# Allegro board RK_EVB1_RK3576_LP4XD200P132SD6_V12_20240530YWQ.brd (continued)
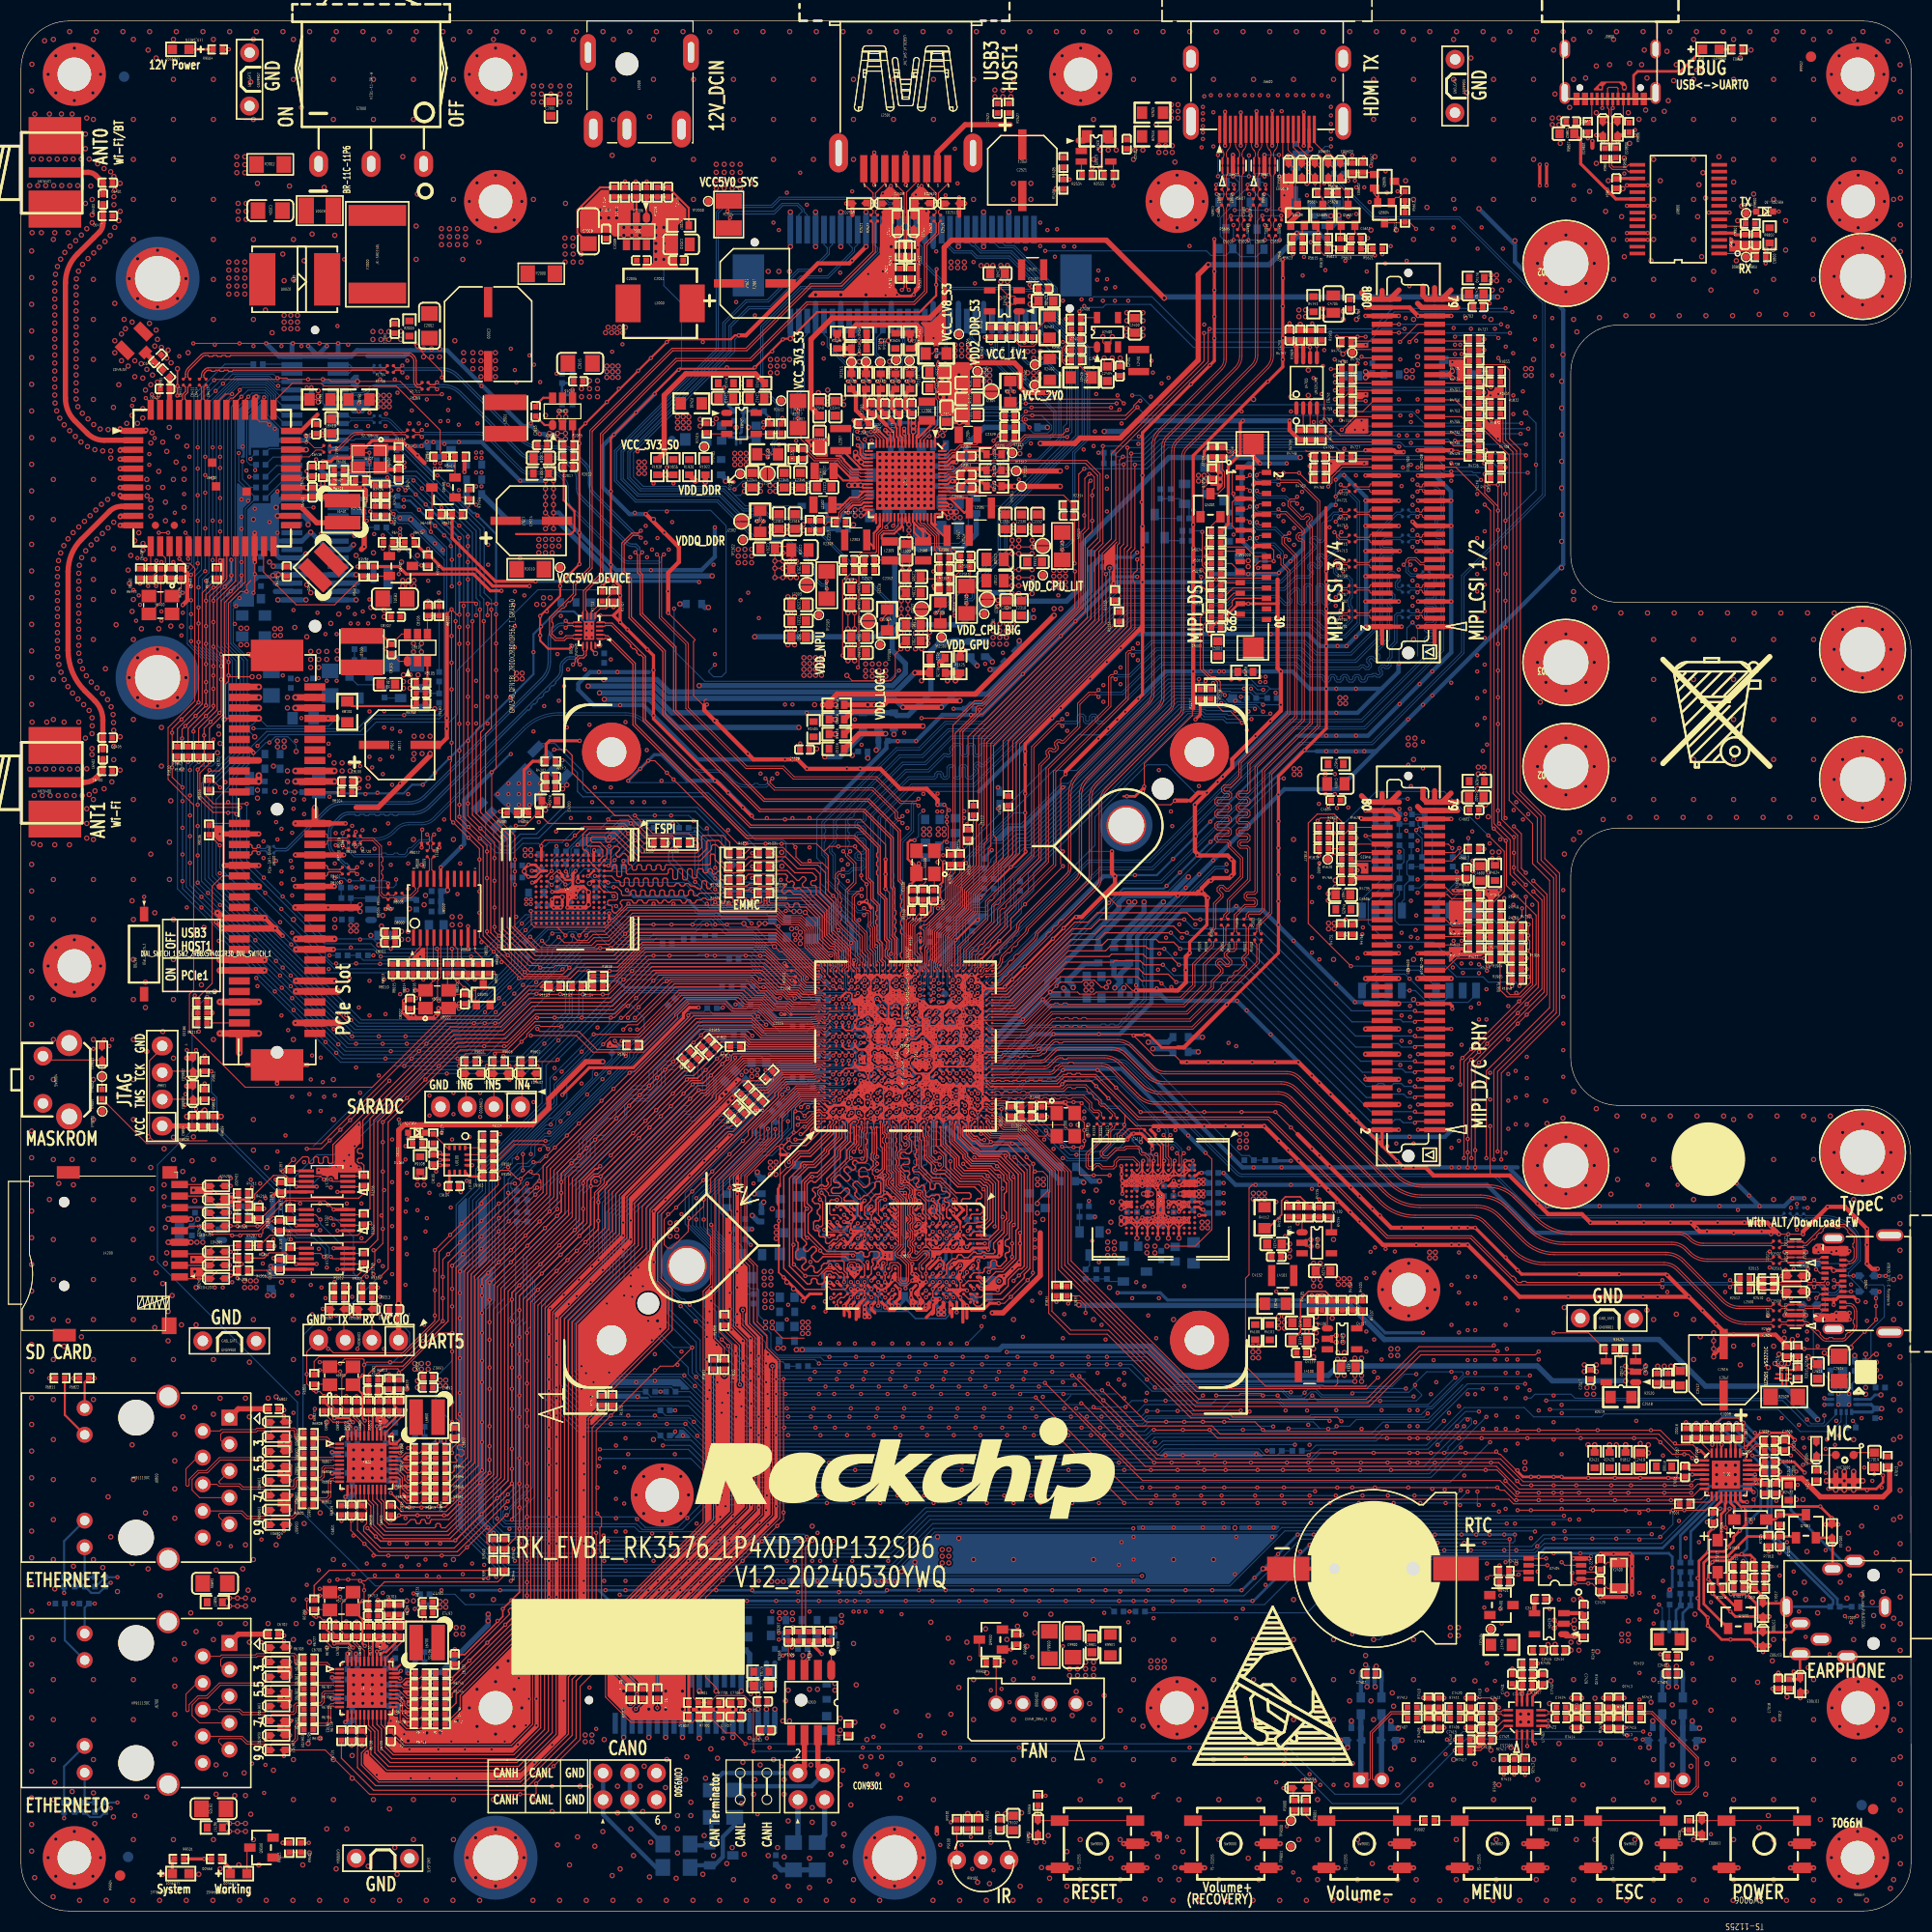
[diagram p0: board, top side]
## Routing (per net, layer and track width the routed paths; a pad name or vN(x,y) marks a point on that pad's centre or on a via; arc(x,y) is an arc through that point) (continued)
  BOTTOM w0.14: C1002.2 84.92,81.37 85.52,81.37 85.86,81.71 v1(85.86,81.72)
  BOTTOM w0.152: 81.27,57.28 81.44,57.12 82.6,57.12 ; v1(80.67,84.32) 80.67,84.13 80.37,83.84 C1034.2 79.94,83.83 79.91,83.83 ; 83.99,57.12 v1(84.24,57.37) 84.5,57.12 ; 83.99,57.12 84.5,57.12 ; 83.99,57.12 82.6,57.12 ; v1(91.44,59.29) 91.39,59.34 91.39,59.82 91.23,59.98 91.23,60.96 C3811.2 ; 80.64,80.59 80.34,80.89 80.34,81.38 80.8,81.85 C1029.2 80.34,82.05 80.3,82.08 79.92,82.08 79.6,81.76 C1902.2 79.5,81.73 79.5,81.1 79.44,81.03 ; 82.6,57.12 82.96,57.48 v1(82.96,57.63) ; v1(84.53,84.36) 83.99,84.89 83.99,85.04 ; 88.49,69.14 88.49,68.17 88.23,67.91 88.06,67.91 ; C3826.2 87.26,67.22 87.59,66.89 87.59,66.51 87.49,66.41 v1(87.49,65.49) ; 84.5,57.12 85.19,56.43 88.06,56.43 88.47,56.83 88.47,57.38 v1(88.56,57.48) ; v1(88.79,86.91) 89.59,86.11 C1601.2 ; v1(89.77,83.67) 89.41,84.02 88.97,84.02 88.61,83.67 v1(88.46,83.67) ; C3832.2 92.03,63.99 91.64,63.99 91.41,64.23 91.41,64.79 ; 86.99,67.63 87.3,67.63 87.58,67.91 88.06,67.91 ; 79.99,85.1 80.67,84.42 ; v1(84.57,80.42) v1(83.92,80.42) ; 88.06,67.91 C3841.2
  BOTTOM w0.203: 42.56,131.11 v1(42.56,130.88) v1(42.56,129.99) v1(42.56,128.47) v1(42.56,126.82) v1(42.56,123.46) v1(42.56,122.33) ; v1(40.68,135.83) 41.15,135.36 41.15,135.04 43.06,133.13 43.26,133.13 v1(43.47,132.91) 45.25,131.14 v1(45.25,124.49) v1(45.25,123.47) ; 123.38,110.45 121.93,110.45 v1(113.3,101.83) v1(112.03,100.56) v1(110.38,98.9) v1(109.11,97.63) 108.85,97.37 104.97,97.37 v1(103.61,96.02) 93.3,85.71 91.83,85.71 C1409.2 ; C1700.2 82.44,85.72 82.44,85 C1036.2 ; 32.43,140.87 35.31,140.87 36.67,139.52 v1(36.81,139.52) 37.7,138.63 v1(37.76,138.63) 37.76,138.43 39.46,136.72 v1(39.66,136.72) ; 121.74,111.94 121.46,111.94 v1(113.27,103.75) v1(111.88,102.36) v1(109.72,100.2) 108.17,98.65 v1(106.09,98.65) 104.3,98.65 v1(104.2,98.55) ; v1(41.75,123.46) v1(41.75,126.44) v1(41.75,129.11) v1(41.75,130.75) v1(40.39,132.12) v1(38.55,133.96) v1(37.6,134.91) 36.8,135.71 32.68,135.71 v1(32.54,135.57) ; v1(44.83,108.44) 46.57,110.18 v1(46.65,110.18) ; C1404.2 91.53,79.19 v1(91.09,79.19) v1(91.09,79.84) ; v1(41.03,126.16) v1(41.03,128.7) 41.03,129.89 v1(40.93,129.99) 40.93,130.42 v1(39.44,131.92) v1(37.91,133.45) 37.05,134.31 36.54,134.31 v1(36.45,134.39) ; v1(53.86,122.58) 52.67,123.77 50.97,123.77 v1(49.52,122.33) 48.81,121.61 v1(48.81,119.89) 48.81,117.79 v1(46.6,115.59) v1(39.42,108.4) 38.28,107.26 v1(38.27,107.26) 37.25,107.26 36.43,106.43 C8114.2 ; v1(96.72,77.07) 96.78,77.01 99.45,77.01 v1(99.48,77.03) ; v1(79.77,85.1) 79.99,85.1 79.99,85.1 ; 80.67,84.42 v1(80.67,84.32) ; C1309.2 79.91,83.83 C1116.2
  BOTTOM w0.229: 91.75,87.19 91.46,87.19 v1(91.14,86.87) v1(90.54,86.87) v1(90.54,87.47) ; v1(87.17,81.03) 86.87,80.73 C1009.2 ; v1(91.73,62.28) 91.73,62.68 91.51,62.91 C3813.2 91.5,63.14 91.96,63.14 v1(92.12,62.99) ; v1(80.64,79.12) 80.6,79.08 80,79.08 v1(79.98,79.09) ; R1400.2 91.33,82.89 v1(91.12,83.1) 91.38,83.36 R1402.2
  BOTTOM w0.254: v1(81.32,82.37) 81.32,82.36 C1026.2 81.96,82.36 v1(81.96,82.37) ; v1(81.32,82.37) 81,82.05 C1029.2 80.8,82.57 C1901.2 ; v1(81.32,82.37) 81,82.68 C1901.2 ; v1(81.32,82.37) 81.64,82.69 C1035.2 81.96,82.37 v1(81.96,82.37) ; v1(86.84,67.76) 86.97,67.63 86.99,67.63 87.21,67.4 ; C1118.2 86.98,84.06 C1602.2 ; v1(82.94,66.44) 82.94,66.45 C3828.2 ; C3818.2 79.87,57.89 79.62,57.64 79.62,57.62 79.6,57.6 79.6,57.56 79.57,57.53 v1(79.57,57.38) ; v1(81.97,80.42) 82.2,80.18 82.38,80.18 v1(82.62,80.42) 82.71,80.42 82.94,80.65 83.01,80.65 83.27,80.39 83.29,80.39 ; v1(164.25,39.6) 161.87,39.6 158.03,35.76 C7407.1 ; C3830.2 82.29,65.61 v1(82.29,65.49) ; C1002.2 84.6,81.1 84.6,81.1 v1(84.56,81.07) ; 164.89,40.58 164.76,40.46 160.82,40.46 160.57,40.2 v1(160.57,39.78) ; 87.85,81.04 v1(87.82,81.04) 87.55,81.3 C1400.2 87.48,81.39 v1(87.16,81.72) ; v1(157.01,30.6) 157.27,30.85 v1(157.27,32.71) 157.27,33.73 156.92,34.07 v1(148.5,34.07) v1(145.96,34.07) ; v1(164.25,44.14) 163.87,44.14 v1(161.52,46.49) 162.09,47.06 163.49,47.06 v1(164.06,46.49) 168.57,41.98 168.57,38.18 173.42,33.33 J7000.8 ; v1(81.96,82.37) 81.97,82.37 U1000.2D6 C1024.2 82.38,82.04 ; v1(81.64,63.24) 81.64,63.35 C3834.2 82.29,64 v1(82.29,64.04) 82.48,64.23 C3842.2 82.49,64.39 v1(82.94,64.84) ; v1(82.61,82.37) 82.61,82.28 82.38,82.04 ; v1(92.12,62.99) 92.12,63.14 92.27,63.3 C3832.2 ; v1(82.62,83.02) 82.62,83.12 C1017.2 82.62,83.57 v1(82.62,83.67) ; v1(160.55,37.04) v1(161.82,38.31) ; v1(81.54,87.47) v1(82.14,86.87) 82.14,86.64 82.71,86.07 C1700.2 ; v1(164.89,43.38) 165.7,42.57 165.7,38.24 164.38,36.92 164.38,34.5 v1(163.87,33.99) ; 55.03,30.55 v1(45.63,30.55) 41.95,30.55 ; 55.03,30.55 56.05,29.54 v1(58.71,29.54) v1(59.76,29.54) v1(65.95,29.54) v1(69.13,29.54) v1(71.92,29.54) v1(74.01,29.54) v1(75.99,29.54) v1(78.02,29.54) v1(78.65,29.54) v1(79.42,29.54) v1(80.69,29.54) v1(84.27,29.54) v1(86.81,29.54) v1(89.35,29.54) v1(91.89,29.54) v1(94.43,29.54) v1(96.97,29.54) v1(99.51,29.54) v1(102.05,29.54) v1(104.59,29.54) v1(105.96,29.54) v1(107.13,29.54) v1(109.67,29.54) v1(112.21,29.54) v1(114.75,29.54) v1(117.29,29.54) 117.39,29.54 v1(122.73,34.87) 122.85,35 v1(125.52,35) ; 55.03,30.55 v1(55.67,30.55) v1(57.57,30.55) v1(62.78,30.55) v1(66.21,30.55) v1(69.64,30.55) 69.82,30.37 v1(74.01,30.37) v1(77.89,30.37) v1(79.92,30.37) 82.28,30.37 v1(82.46,30.55) v1(85.51,30.55) v1(88.05,30.55) v1(90.59,30.55) v1(93.13,30.55) v1(95.67,30.55) v1(98.21,30.55) v1(100.75,30.55) v1(103.29,30.55) v1(107.36,30.55) v1(110.91,30.55) v1(113.45,30.55) v1(116.25,30.55) 116.29,30.55 v1(117.47,31.74) v1(119.73,33.99) v1(121.58,35.85) v1(123.1,35.85) v1(124.49,35.85) v1(129.57,35.85) v1(132.11,35.85) v1(134.65,35.85) v1(137.19,35.85) v1(138.6,35.85) v1(139.87,35.85) v1(141.26,35.85) v1(142.27,35.85) ; C1006.2 85.93,83.95 85.93,83.73 85.48,83.29 C1005.2 ; C1010.2 86.61,81.72 v1(86.51,81.72) ; C1010.2 86.87,81.94 87.47,82.55 ; C1010.2 87.06,81.72 v1(87.16,81.72) ; C1000.2 87.16,82.22 v1(87.16,81.72) ; v1(79.04,65.64) 79.08,65.64 79.6,66.16 79.6,67.58 77.51,69.67 77.51,74.11 78.87,75.47 v1(79.74,75.47) ; v1(89.77,81.07) 89.81,81.02 89.81,80.7 C1406.2 ; C1901.2 80.67,82.93 v1(80.67,83.02) 80.37,83.31 C1034.2 ; v2(68.11,141.3) U2402.B1 67.56,140.74 ; v1(79.04,66.44) 78.76,66.72 C3807.2 ; v1(80.99,65.49) v1(80.34,64.84) ; v1(128.31,32.86) v1(128.31,30.6) ; 82.38,82.04 82.38,81.95 82.61,81.72 v1(82.61,81.72) ; v1(83.92,80.42) 83.83,80.42 83.59,80.65 83.36,80.42 v1(83.27,80.42) ; v1(80.67,84.32) 80.56,84.21 C1116.2
  BOTTOM w0.279: C3827.2 85.34,57.84 v1(85.54,57.64)
  BOTTOM w0.305: C1703.2 83.04,87.18 v1(83.34,87.47) ; C1703.2 82.81,87.31 82.81,87.96 ; C1703.2 82.83,87.18 82.52,86.87 v1(82.14,86.87) ; v1(88.46,83.67) 88.15,83.98 C1506.2 88.15,84.09 87.6,84.64 C1602.2 87.67,84.75 87.67,85.24 C1600.2 87.58,85.45 88,85.86 C1500.2 88.34,86.37 C1502.2 88.61,86.91 v1(88.79,86.91) ; v1(176.67,58.36) 176.67,58.73 ED2503.2 v1(176.99,58.98) ; C1201.2 82.89,78.25 v1(82.64,78.49) ; C1201.2 83.07,78.25 v1(83.31,78.48) 83.34,78.48 C1203.2 ; C1201.2 82.98,78.23 v1(83.34,77.87) 83.7,77.87 C1203.2 ; v1(83.27,81.07) 83.27,80.98 83.59,80.65 ; v1(91.07,84.97) 91.56,85.46 C1409.2 ; v1(78.39,59.89) 78.39,60.28 C3812.2 ; v1(81.32,84.32) 81.1,84.54 C1032.2 80.89,84.54 v1(80.67,84.32) ; 51.15,99.09 v1(51.23,99) ; C1016.2 82.29,82.7 v1(81.96,82.37) ; C1016.2 82.39,82.79 v1(82.62,83.02) ; C1016.2 82.39,82.6 v1(82.61,82.37) ; R1401.2 91.07,80.16 91.07,79.87 v1(91.09,79.84) ; v1(79.98,79.09) 79.9,79.01 R1203.2 ; 85.64,84.52 86,84.52 C1006.2 86.53,84.56 v1(86.53,84.98) 86.4,85.11 C1102.2 86.15,85.03 85.64,84.52 ; 85.64,84.52 C1023.2 85.42,84.52 v1(85.22,84.32) 85.02,84.12 84.76,84.12 v1(84.53,84.36) ; C1902.2 79.13,82.16 C1900.2 79.23,82.47 79.23,82.59 v1(79.44,82.8) ; C3805.2 79.04,65.49 v1(79.04,65.64) ; C1020.2 83.99,85.04 ; C3819.2 77.09,63.05 v1(77.09,63.24) ; v1(83.34,87.47) 83.35,87.47 v1(83.94,87.47) 83.6,87.12 C1701.2 83.34,87.36 v1(83.34,87.47) ; v1(80.34,86.82) 80.33,86.83 C1113.2 79.58,86.5 C1111.2 79.41,85.74 C1112.2 79.61,85.25 79.63,85.25 v1(79.77,85.1) ; v1(80.34,86.82) 80.92,87.4 C1308.2 81.47,87.4 v1(81.54,87.47) ; v1(80.34,86.82) 80.93,86.22 C1510.2 C1507.2 ; v1(83.92,81.07) 84.02,80.97 ; 84.02,80.97 84.15,80.84 C1003.2 84.33,80.84 84.46,80.97 ; 84.02,80.97 84.46,80.97 ; R1600.2 89.94,87.47 v1(90.54,87.47) ; 79.34,61.04 79.69,61.4 v1(79.69,61.49) ; 79.34,61.04 79.49,61.04 v1(79.69,60.84) ; 79.34,61.04 C3808.2 ; C1203.2 84.35,78.51 v1(84.57,78.51) 84.8,78.28 C1200.2 85.03,78.43 85.13,78.43 v1(85.25,78.54) ; v1(82.62,80.42) 82.94,80.09 C1207.2 82.94,80.09 v1(83.27,80.42) 83.59,80.09 C1208.2 83.59,80.09 v1(83.92,80.42) 84.23,80.1 C1206.2 84.25,80.1 v1(84.57,80.42) ; v1(79.77,85.1) 79.77,85.01 79.44,84.68 v1(79.44,84.6) 79.44,84.55 79.18,84.3 C1309.2 ; v1(79.77,85.1) 79.92,85.25 79.92,85.55 C1801.2 ; C3822.2 84.24,59.75 v1(84.24,59.3) ; C4123.2 v1(114.54,67.43) ; C1405.2 88.81,82.59 88.29,82.07 C1503.2 88.23,81.95 v1(88.47,81.72) ; 84.46,80.97 v1(84.56,81.07) ; C3806.2 87.27,65.27 v1(87.49,65.49) ; v1(82.3,60.71) 82.28,60.73 82.28,60.79 v1(81.61,61.46) ; v1(57.83,107.64) v1(58.97,108.78) v1(59.73,109.55) 60.3,110.12 61.06,110.12 ; v1(82.29,62.3) 82.88,62.3 C3821.2 ; v1(171.74,48.84) 171.85,48.73 U2500.9 ; 83.22,84.92 v1(82.62,84.32) 82.3,84 C1033.2 82.62,83.68 v1(82.62,83.67) ; 83.22,84.92 83.25,84.88 C1018.2 83.25,84.51 ; 83.22,84.92 v1(83.22,84.93) ; C3818.2 79.92,58.03 v1(80.34,58.44) ; v1(79.04,64.69) 79.41,65.06 79.97,65.06 C3810.2 80.1,65.08 v1(80.34,64.84) ; v1(77.07,61.49) 77.07,61.6 76.9,61.77 C3809.2 ; v1(89.77,83.67) 89.98,83.45 C1509.2 89.98,83.23 v1(89.77,83.02) 89.98,82.8 C1408.2 ; R6816.1 v1(4.1,30.3) ; C3831.2 75.86,64.97 v1(75.86,65.18) ; 79.44,81.03 v1(79.44,81) 79.29,80.85 79.29,80.7 C1903.2 79.12,80.53 79.12,80.48 79.52,80.08 80.23,80.08 C1214.2 ; C1015.2 83.59,82.66 83.9,82.36 v1(83.91,82.36) 84.13,82.58 C1004.2 84.24,82.71 84.55,83.02 v1(84.55,83.02) 84.79,83.26 C1001.2 84.9,83.23 85.45,83.23 C1005.2 ; v1(86.51,81.72) 86.28,81.94 C1011.2 86.09,81.94 85.87,81.72 v1(85.86,81.72) ; C3841.2 88.45,67.63 88.66,67.63 v1(88.79,67.76) ; v1(80.99,57.64) 80.99,57.56 81.27,57.28 ; v1(171.74,48.2) 171.77,48.23 U2500.8 ; C3829.2 83.1,57.77 v1(82.96,57.63) ; v1(176.82,61.16) 176.41,60.75 ED2502.2 v1(176.99,60.48) v1(177.59,60.48) ; v1(81.64,59.09) 81.74,59 C3800.2 ; C3844.2 80.63,66.44 v1(80.99,66.44) ; v1(87.82,81.04) 87.52,80.74 C1300.2 87.48,80.72 v1(87.17,81.03) ; v1(88.14,63.24) 88.08,63.19 C3816.2 88.08,62.08 87.91,61.9 C3837.2 87.59,61.59 v1(87.49,61.49) ; C3838.2 86.63,63.84 v1(86.84,64.04) ; v1(86.34,78.46) 86.63,78.75 86.63,78.88 86.8,78.88 v1(87.14,78.55) ; C1000.2 87.47,82.66 v1(87.14,82.99) 86.92,83.21 C1504.2 86.92,83.47 v1(87.14,83.69) 86.95,83.89 C1118.2 ; C3839.2 86.61,58.06 v1(86.84,58.29) 86.91,58.36 87.42,58.36 v1(87.49,58.29) ; C1105.2 84.62,86.28 v1(84.56,86.23) 84.56,86.23 84.23,86.23 C1104.2 ; v1(81.97,80.42) 81.74,80.19 C1027.2 81.54,80.19 v1(81.32,80.42) 81.14,80.59 80.64,80.59 80.33,80.28 C1214.2 ; v1(114.54,70.29) C4122.2 ; C3833.2 85.57,64.69 v1(85.54,64.72) ; C4103.2 v1(111.6,71.46) ; C1214.2 80.33,80.1 v1(80.64,79.79) 80.87,79.56 C1800.2 80.87,79.35 v1(80.64,79.12) ; v1(114.54,66.48) C4121.2 ; C4102.2 v1(114.54,69.33) ; C4104.2 v1(114.54,68.38) ; R6716.1 v1(4.1,8.83) ; 85.71,86.64 v1(85.61,86.64) 85.61,86.25 C1117.2 85.81,86.05 C1103.2 85.99,86.31 C1106.2 85.89,86.82 85.71,86.64
  BOTTOM w0.406: 107.67,87.32 107.67,92.43 110.57,95.32 115.36,95.32 v1(115.74,95.7) 116.12,95.32 118.28,95.32 v1(121.2,92.4) v1(125.26,88.34) v1(127.04,86.56) 130.22,86.56 ; 107.67,87.32 108.5,87.32 109.13,86.69 v1(115.82,86.69) v1(116.73,85.77) v1(119.02,83.49) v1(121.66,80.84) v1(122.95,79.55) v1(123.65,78.85) v1(124.73,77.77) v1(126.51,75.99) v1(127.21,75.29) 128.77,73.73 v1(132.25,73.73) 135.61,73.73 136.21,74.34 136.31,74.34 ; 107.67,87.32 107.67,86.53 104.65,83.51 96.43,83.51 93.67,80.74 ; v1(37.51,139.52) v1(38.14,139.52) 38.27,139.52 38.65,139.9 v1(39.28,139.9) v1(41.7,139.9) 43.86,139.9 v1(47.54,136.22) v2(49.95,136.22) ; v1(69.6,104.3) 67.41,106.5 v1(67.35,106.5) 67.35,106.55 66.52,107.39 66.46,107.39 66.21,107.64 v1(66.08,107.64) 63.54,107.64 61.06,110.12 ; v1(66.08,131.77) v1(66.08,130.2) 66.08,128.98 64.81,127.71 v1(59.98,127.71) 56.68,127.71 v1(56.17,128.21) 51.22,133.17 v2(50.71,133.17) ; C4105.2 106.41,69.55 v1(106.78,69.55) ; v1(59.5,133.04) 57.95,133.04 55.41,135.58 55.41,139.55 v1(56.48,140.61) v1(58.57,142.71) v1(60.35,144.49) ; v2(50.33,140.19) 49.86,140.67 v1(49.4,140.67) 48.65,141.42 47.79,141.42 40.58,148.64 37.1,148.64 ; 37.1,148.64 36.55,148.09 32.99,148.09 ; 37.1,148.64 32.02,148.64 ; 129.07,110.45 v1(132.11,113.49) 146.88,128.26 146.88,152.47 142.28,157.07 142.28,158.69 v2(138.85,162.12) ; 129.07,110.45 125.45,106.84 120.32,106.84 v1(113.54,100.06) v1(112.21,98.72) v1(110.94,97.45) v1(110.18,96.69) 106.3,92.82 106.3,87.77 v1(106.2,87.67) 106.3,87.56 106.3,86.92 105.56,86.18 97.96,86.18 v1(97.32,86.81) v1(95.42,84.91) 92.88,82.37 v1(92.88,81.82) ; 129.07,110.45 v1(127.93,110.45) v1(125.26,110.45) v1(124.31,110.45) 123.38,110.45 ; 129.58,116.4 127.29,114.11 v1(125.26,114.11) 120.56,114.11 v1(114.47,108.02) ; 129.58,116.4 v1(127.14,116.4) v1(125.26,116.4) v1(124.31,116.4) 122.73,116.4 121.08,118.05 v1(119.99,118.05) v1(116.53,118.05) v1(114.56,118.05) v1(114.11,118.05) v1(113.32,118.05) v1(111.64,118.05) 109.01,118.05 v1(106.4,115.45) v1(105.17,114.21) v1(104.41,113.45) v1(103.55,112.59) ; 129.58,116.4 131.2,118.03 ; v1(106.78,69.55) 106.78,69.54 v1(106.78,69.05) ; v1(106.78,69.55) 107.17,69.55 C4107.2 ; v1(120.54,137.87) v1(118.91,137.87) v1(118,137.87) 116.92,137.87 116.25,137.19 116.25,130.5 116.91,129.83 ; 91.22,106.62 v1(98.21,113.61) 106.21,121.62 v1(111.64,121.62) v1(113.19,121.62) v1(119.04,121.62) 122.55,121.62 123.7,120.47 v1(124.31,120.47) v1(125.39,120.47) v1(126.24,120.47) v1(128.04,122.26) 128.11,122.33 128.11,134.64 v1(126.01,136.74) 126,136.75 125.66,136.75 v1(125.21,136.31) ; v1(87.92,105.35) v1(87.29,105.35) ; 131.2,118.62 131.2,118.79 ; 131.2,118.62 131.2,118.03 ; 131.2,118.62 131.2,118.03 ; v1(44.83,108.44) 42.2,105.82 42.2,101.62 v1(41.91,101.32) v1(39.97,99.39) ; 59.79,117.99 v1(56.81,117.99) v1(55.03,117.99) 54.18,117.99 53.08,116.89 53.08,116.31 54.54,114.84 v1(57.06,114.84) 59.26,114.84 v1(60.24,113.86) 64.43,109.67 71.54,109.67 ; v1(114.54,70.29) 115.67,69.16 v1(117.58,69.16) v1(120.94,69.16) v1(123.65,69.16) 139.61,69.16 144.19,64.59 v1(163.11,64.59) 167.3,64.59 v1(167.43,64.46) ; C3825.2 76.74,59.85 v1(77.04,59.85) ; v1(141.39,70.81) 141.65,70.81 v1(145.34,67.13) v1(150.33,67.13) v1(154.14,67.13) v1(157.27,67.13) v1(161.76,67.13) v1(165.57,67.13) ; v1(141.39,70.81) 141.38,70.82 v1(138.49,70.82) v1(137.78,70.82) v1(136.95,70.82) v1(136.24,70.82) v1(131.61,70.82) v1(120.06,70.82) v1(117.39,70.82) 116.32,70.82 v1(115.14,72) 105.03,82.11 v1(96.94,82.11) ; v1(141.39,70.81) 141.4,70.82 142.53,70.82 ; v1(125.21,133.91) 124.8,133.91 122.11,131.22 122.11,129.76 v1(120.9,128.55) v1(119.8,127.45) 119.68,127.33 v1(117.39,127.33) v1(116.88,127.33) 113.45,127.33 112.69,126.56 v1(111.64,126.56) v1(106.81,126.56) 104.17,126.56 v1(104.05,126.44) 104.04,126.44 v1(100.43,122.83) v1(99.03,121.43) v1(95.41,117.81) 91.51,113.91 v1(90.46,113.91) 87.74,113.91 v1(85.25,111.42) v1(83.5,111.42) 82.59,111.42 C1704.2 82.41,111.3 82.41,110.74 76.53,104.85 ; v1(104.2,98.55) 103.11,98.55 91.75,87.19 ; v1(165.57,67.13) 167.93,67.13 v1(168.7,67.89) 168.71,67.88 v1(169.84,67.88) ; v1(165.57,67.13) v1(164.57,68.13) v1(163.39,69.31) v1(161.88,70.82) v1(159.93,70.82) v1(157.27,70.82) ; v1(112.82,72.21) v1(111.17,73.86) v1(108.93,76.09) 104.82,80.21 99.35,80.21 ; 121.74,111.94 v1(124.31,111.94) v1(125.26,111.94) v1(127.14,111.94) 128.28,111.94 v1(131.29,114.95) v1(133.2,116.85) v1(134.4,118.06) 136.21,119.86 v1(136.21,122.32) v1(136.21,124.72) v1(136.21,127.12) v1(136.21,129.52) v1(136.21,131.92) 136.18,131.94 136.18,135.2 134.67,136.72 v1(133.05,136.72) ; v2(128.19,21.35) 128.27,21.42 U7400.7 128.27,23.18 128.26,23.19 ; v2(156.89,21.35) 156.97,21.42 U7401.7 156.97,23.18 v2(156.73,23.41)
  BOTTOM w0.457: v2(31.66,130.12) 31.21,129.67 CON6500.14 29.25,129.67 v2(27.6,131.31) 26.75,130.47 CON6500.15 23.04,130.47 ; v1(32.81,134.31) 32.65,134.47 CON6500.26 28.3,134.47 v2(27.19,135.57) ; v1(28.74,140.99) 28.87,140.87 29.07,140.87 ; v1(28.74,140.53) 29.07,140.87 ; 29.07,140.87 CON6500.42 32.42,140.87 32.43,140.87 ; v2(27.14,129.26) 26.75,128.87 CON6500.11 24.64,128.87 23.04,130.47 ; v2(28.62,131.14) 28.75,131.27 CON6500.18 31.53,131.27 v2(31.79,131.01) ; CON6500.59 25.81,149.21 v1(25.89,149.3) ; CON6500.59 24.58,148.07 v1(23.35,149.3) ; CON6500.59 28.15,148.07 v1(29.12,149.04) ; CON6500.49 27.19,144.07 27.66,144.53 v1(27.66,145.11) ; v1(27.35,149.04) 28.32,148.07 CON6500.60 ; 23.04,130.47 v1(22.25,131.26) ; v2(31.92,127.27) 31.65,127.27 31.65,127.27 CON6500.8 CON6500.7 24.52,127.27 v2(24.52,127.27) ; v1(28.75,145.87) 28.95,145.67 CON6500.54 32.04,145.67 v2(32.04,145.67) ; CON6500.60 31.45,148.07 32.02,148.64 ; CON6500.60 v1(30.21,149.3) ; 30.2,143.27 CON6500.48 32.36,143.27 ; v1(28.23,137.55) 28.92,136.87 CON6500.32 33.08,136.87 v1(33.09,136.85) ; v2(28.36,135.57) 27.26,134.47 CON6500.25 24.75,134.47 24.3,134.01 v2(24.3,133.68) ; v2(28.49,125.04) 28.66,124.87 CON6500.2 31.91,124.87 v2(31.92,124.87) ; v2(27.35,132.02) 27.35,132.41 26.89,132.87 CON6500.21 24.43,132.87 v2(24.42,132.87) ; v1(27.57,140.53) 27.11,140.07 CON6500.39 24.13,140.07 23.66,140.53 v1(23.66,141.55) ; v2(24.47,124.87) 24.47,124.87 CON6500.1 27.14,124.87 v2(27.14,124.87)
  BOTTOM w0.508: ED7403.2 v2(155.05,15.57) ; v1(98.02,87.51) 98.21,87.33 C1505.2 ; v2(70.2,19.22) CON7700.5 v1(70.2,16.54) ; CON9700.59 96.48,152.66 v2(96.11,153.03) ; v2(57.4,19.22) CON7700.37 v2(57.4,16.54) ; CON9700.19 80.48,153.11 ; v2(63,16.54) CON7700.23 v2(63,19.22) ; C7406.2 v2(126.7,18.11) ; CON9700.13 78.08,153.11 ; CON9700.26 v2(82.88,158.51) ; v2(63,20.94) CON7700.24 v2(63,23.62) ; v2(61.4,16.54) CON7700.27 v2(61.4,19.22) ; C7401.1 v1(128.31,30.6) ; v2(64.6,16.45) CON7700.19 v2(64.6,19.22) ; v2(64.6,20.94) CON7700.20 v2(64.6,23.82) ; v2(73.28,158.51) CON9700.2 v2(73.28,161.81) ; v2(68.6,20.94) CON7700.10 v2(68.6,23.62) ; v2(70.2,20.65) CON7700.6 ; v2(131.52,16.26) ED7400.2 v2(130.82,15.57) ; v2(61.4,20.94) CON7700.28 ; CON9700.1 v2(73.28,149.74) ; v2(159.53,15.57) ED7402.2 v2(160.22,16.26) ; CON9700.53 v2(94.08,153.03) ; v2(57.4,20.94) CON7700.38 v2(57.4,23.62) ; v2(66.2,19.22) CON7700.15 ; v1(86.94,75.47) 86.94,74.95 C1303.2 ; v2(59.8,16.54) CON7700.31 v2(59.8,19.22) ; v2(67.8,16.54) CON7700.11 v2(67.8,19.22) ; C7408.1 v1(157.01,30.6) ; v2(126.34,15.57) ED7401.2 v2(125.65,16.26) ; C1501.2 93.17,106.88 v1(93.05,107) ; v2(66.2,24.07) CON7700.16 v2(66.2,20.94) ; v2(78.08,161.81) CON9700.14 v2(78.08,158.51) ; v2(80.48,158.51) CON9700.20 v2(80.48,161.81) ; v2(159.87,17.41) C7412.2 v2(159.17,18.11) ; v2(75.68,158.51) CON9700.8 v2(75.68,161.81) ; CON9700.35 86.88,153.11 ; R7400.2 v1(127.29,30.6) ; 59.8,20.94 CON7700.32 v2(59.8,23.62) ; CON9700.41 89.28,153.11 ; CON9700.36 86.88,158.51 ; C4128.2 v1(102.28,66.11) ; 29.05,143.27 30.2,143.27 ; v2(131.17,17.41) C7405.2 v2(130.47,18.11) ; CON9700.42 v2(89.28,158.51) ; v2(91.68,158.51) CON9700.48 v2(91.68,161.81) ; CON9700.25 82.88,153.11 ; C3845.2 v1(69.61,64.94) ; CON9700.54 v2(94.08,161.81) ; CON9700.7 75.68,153.11 ; CON9700.47 91.68,153.11 ; C7413.2 v2(155.4,18.11)